# Altium PCB RTM_SFP.PcbDoc (part 13 of 17) (continued)
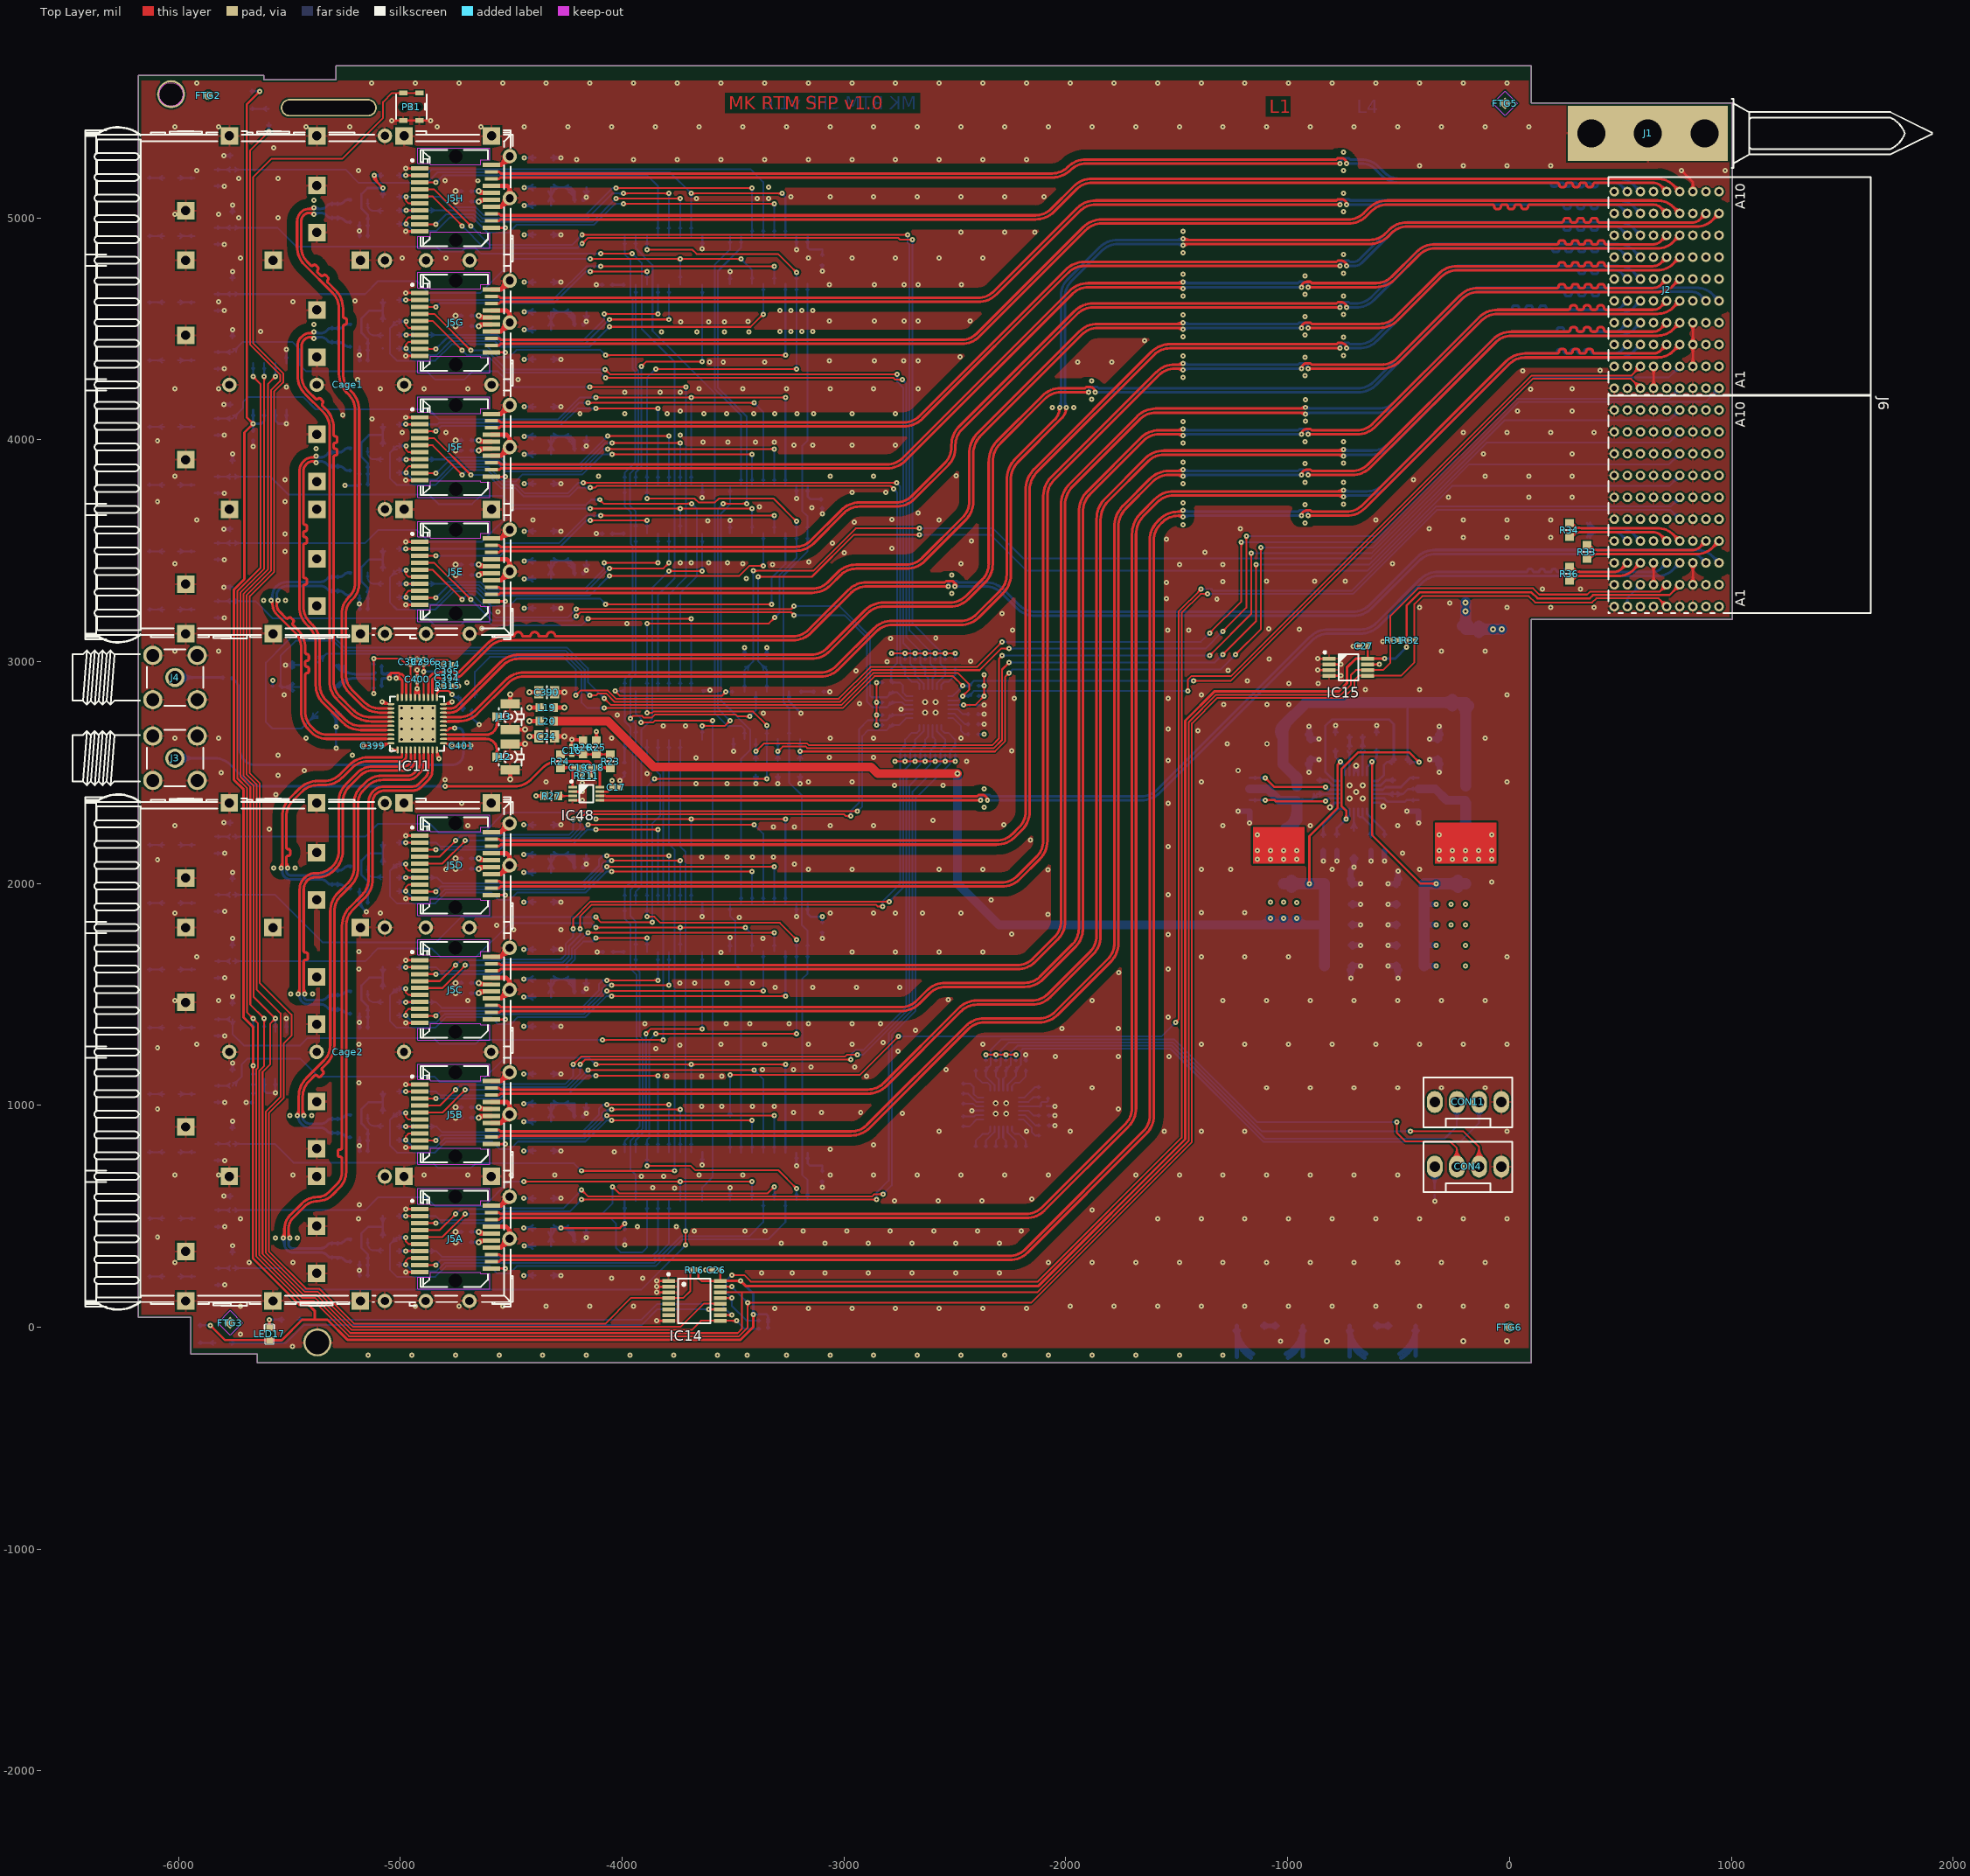
[diagram p0: Top Layer view]
## Nets (pads, with @x,y where several pads share a name; then routed paths per layer and width w, separated by ;. In a path a pad name is that pad's centre, name@x,y a point inside that pad or via, vN(x,y) a via of type N, cw(c..) or ccw(c..) an arc to the next point about the centre after c; other vN are vias at no path point) (continued)
SFP_DETECTN7: IC9.11 J5B.6 R403B.1 | length 2742.1
  Top Layer w7.99: v1(-4975.48,965.35) -4975.48,947.57 ; J5B.6@-4946.64,931.94 ccw(c-4956.62,921.96) -4956.62,936.07 ccw(c-4956.62,950.19) J5B.6@-4946.64,940.21 ; J5B.6@-4912.98,936.07 -4963.98,936.07 -4975.48,947.57 ; v1(-4048.43,931.89) v1(-3414.17,931.89) ; -4975.48,947.57 cw(c-4959.17,947.57) -4970.2,959.59 ccw(c-4959.17,947.57) -4975.48,947.57 ; -4975.48,947.57 ccw(c-4991.79,947.57) -4980.76,959.59 cw(c-4991.79,947.57) -4975.48,947.57 ; -4029.56,931.89 cw(c-4029.56,950.76) -4042.9,937.42 ccw(c-4029.56,950.76) -4029.56,931.89 ; -4029.56,931.89 ccw(c-4029.56,913.02) -4042.9,926.36 cw(c-4029.56,913.02) -4029.56,931.89 ; -3433.04,931.89 cw(c-3433.04,913.02) -3419.7,926.36 ccw(c-3433.04,913.02) -3433.04,931.89 ; -3433.04,931.89 ccw(c-3433.04,950.76) -3419.7,937.42 cw(c-3433.04,950.76) -3433.04,931.89
  Bottom Layer w7.99: -5043.49,938.17 cw(c-5015.75,910.43) R403B.1@-5015.75,949.66 ; -5037.38,944.27 ccw(c-5056.49,963.38) R403B.1@-5029.47,963.38 ; R403B.1@-5029.84,951.81 cw(c-5015.75,937.72) R403B.1@-5015.75,957.65 ; R403B.1@-5006.05,955.64 cw(c-4982.62,932.22) -4982.62,965.35 cw(c-4982.62,998.47) R403B.1@-5006.05,975.05 ; -4996.09,961.74 cw(c-4991.05,942.91) v1@-4979.93,958.92 ; -4996.09,968.95 ccw(c-4991.05,987.78) v1@-4979.93,971.77 ; -4989.87,963.4 ccw(c-4993.12,975.53) v1@-4982.25,969.25 ; -4989.87,967.29 cw(c-4993.12,955.16) v1@-4982.25,961.44 ; v1(-4975.48,965.35) -5016.31,965.35 -5047.8,933.85 -5047.8,820.07 -5014.74,787.01 -4844,787.01 -4794.25,836.76 -4585.98,836.76 -4551.18,801.97 -4504.72,801.97 -4469.93,836.76 -4165.99,836.76 -4070.87,931.89 v1(-4048.43,931.89) ; IC9.11@-3419.7,809.9 ccw(c-3433.04,823.24) -3414.17,823.24 ccw(c-3395.31,823.24) IC9.11@-3408.65,809.9 ; IC9.11@-3414.17,785.68 v1(-3414.17,931.89) ; -4994.35,965.35 cw(c-4994.35,946.48) -4981.01,959.82 ccw(c-4994.35,946.48) -4994.35,965.35 ; -4994.35,965.35 ccw(c-4994.35,984.21) -4981.01,970.87 cw(c-4994.35,984.21) -4994.35,965.35 ; -4067.29,931.89 cw(c-4067.29,913.02) -4053.95,926.36 ccw(c-4067.29,913.02) -4067.29,931.89 ; -4067.29,931.89 ccw(c-4067.29,950.76) -4053.95,937.42 cw(c-4067.29,950.76) -4067.29,931.89 ; -3414.17,913.02 cw(c-3395.31,913.02) -3408.65,926.36 ccw(c-3395.31,913.02) -3414.17,913.02 ; -3414.17,913.02 ccw(c-3433.04,913.02) -3419.7,926.36 cw(c-3433.04,913.02) -3414.17,913.02
SFP_DETECTN8: IC9.3 J5A.6 R403A.1 | length 2648
  Top Layer w7.99: v1(-4975.48,404.32) -4975.48,386.54 ; J5A.6@-4946.64,370.91 ccw(c-4956.62,360.93) -4956.62,375.05 ccw(c-4956.62,389.16) J5A.6@-4946.64,379.18 ; J5A.6@-4912.98,375.05 -4963.98,375.05 -4975.48,386.54 ; -4975.48,386.54 cw(c-4959.17,386.54) -4970.2,398.56 ccw(c-4959.17,386.54) -4975.48,386.54 ; -4975.48,386.54 ccw(c-4991.79,386.54) -4980.76,398.56 cw(c-4991.79,386.54) -4975.48,386.54
  Bottom Layer w7.99: -5043.49,377.14 cw(c-5015.75,349.41) R403A.1@-5015.75,388.63 ; -5037.38,383.25 ccw(c-5056.49,402.35) R403A.1@-5029.47,402.35 ; R403A.1@-5029.84,390.79 cw(c-5015.75,376.69) R403A.1@-5015.75,396.62 ; R403A.1@-5006.05,394.62 cw(c-4982.62,371.2) -4982.62,404.32 cw(c-4982.62,437.45) R403A.1@-5006.05,414.02 ; -4996.09,400.71 cw(c-4991.05,381.88) v1@-4979.93,397.9 ; -4996.09,407.93 ccw(c-4991.05,426.76) v1@-4979.93,410.74 ; -4989.87,402.38 ccw(c-4993.12,414.51) v1@-4982.25,408.23 ; -4989.87,406.26 cw(c-4993.12,394.14) v1@-4982.25,400.41 ; v1(-4975.48,404.32) -5016.31,404.32 -5047.8,372.83 -5047.8,259.05 -5016.01,227.26 -4842.73,227.26 -4794.25,275.74 -4597,275.74 -4564.26,243 -4507.55,243 -4474.81,275.74 -3850.33,275.74 -3730.4,395.67 -3342.13,395.67 -3264.17,473.62 IC9.3@-3264.17,573.08 ; IC9.3@-3269.7,548.85 cw(c-3283.04,535.51) -3264.17,535.51 cw(c-3245.31,535.51) IC9.3@-3258.65,548.85 ; -4994.35,404.32 cw(c-4994.35,385.45) -4981.01,398.8 ccw(c-4994.35,385.45) -4994.35,404.32 ; -4994.35,404.32 ccw(c-4994.35,423.19) -4981.01,409.85 cw(c-4994.35,423.19) -4994.35,404.32
SFP_I2C_1.SCL: IC39.2 J5A.5 R317.1 | length 4879.9
  Top Layer w7.99: J5A.5@-4912.98,406.54 -4810.37,406.54 v1(-4707.09,509.83) ; J5A.5@-4879.31,402.41 cw(c-4869.33,392.43) -4869.33,406.54 cw(c-4869.33,420.66) J5A.5@-4879.31,410.68 ; -4717.47,500.26 cw(c-4704.41,496.76) v1@-4707.12,510 ; -4716.66,499.45 ccw(c-4720.15,512.51) v1@-4706.91,509.8 ; v1(-4183.07,575.2) v1(-2853.15,575.2) ; -4720.43,496.49 cw(c-4707.09,483.15) -4707.09,502.02 ccw(c-4707.09,483.15) -4720.43,496.49 ; -4720.43,496.49 ccw(c-4733.77,509.83) -4714.9,509.83 cw(c-4733.77,509.83) -4720.43,496.49 ; -4164.2,575.2 cw(c-4164.2,594.06) -4177.54,580.72 ccw(c-4164.2,594.06) -4164.2,575.2 ; -4164.2,575.2 ccw(c-4164.2,556.33) -4177.54,569.67 cw(c-4164.2,556.33) -4164.2,575.2 ; -2872.02,575.2 cw(c-2872.02,556.33) -2858.68,569.67 ccw(c-2872.02,556.33) -2872.02,575.2 ; -2872.02,575.2 ccw(c-2872.02,594.06) -2858.68,580.72 cw(c-2872.02,594.06) -2872.02,575.2
  Bottom Layer w7.99: v1(-4707.09,509.83) -4549.59,509.83 -4537.59,521.83 -4236.43,521.83 v1(-4183.07,575.2) ; v1(-2853.15,575.2) -2853.15,606.3 -2798.79,660.66 -2798.79,1324.03 -2691.08,1431.74 -2691.08,2414.04 -2566.34,2538.78 -2566.34,2597.61 -2546.23,2617.72 R317.1@-2543.9,2617.72 -2543.9,2648.82 -2581.44,2686.36 IC39.2@-2581.44,2713.39 ; -2561.22,2602.73 cw(c-2543.9,2585.41) R317.1@-2543.9,2609.9 ; R317.1@-2555.59,2608.35 ccw(c-2564.95,2617.72) R317.1@-2551.71,2617.72 ; R317.1@-2549.42,2623.24 ccw(c-2562.76,2636.58) -2543.9,2636.58 ccw(c-2525.03,2636.58) R317.1@-2538.37,2623.24 ; -4688.22,509.83 cw(c-4688.22,528.7) -4701.56,515.36 ccw(c-4688.22,528.7) -4688.22,509.83 ; -4688.22,509.83 ccw(c-4688.22,490.96) -4701.56,504.3 cw(c-4688.22,490.96) -4688.22,509.83 ; -4196.41,561.86 cw(c-4183.07,548.51) -4183.07,567.38 ccw(c-4183.07,548.51) -4196.41,561.86 ; -4196.41,561.86 ccw(c-4209.75,575.2) -4190.89,575.2 cw(c-4209.75,575.2) -4196.41,561.86 ; -2853.15,594.06 cw(c-2872.02,594.06) -2858.68,580.72 ccw(c-2872.02,594.06) -2853.15,594.06 ; -2853.15,594.06 ccw(c-2834.28,594.06) -2847.62,580.72 cw(c-2834.28,594.06) -2853.15,594.06
SFP_I2C_1.SDA: IC39.1 J5A.4 R316.1 | length 4963.5
  Top Layer w7.99: J5A.4@-4912.98,438.04 -4822.18,438.04 v1(-4750.39,509.83) ; J5A.4@-4879.31,433.91 cw(c-4869.33,423.92) -4869.33,438.04 cw(c-4869.33,452.15) J5A.4@-4879.31,442.17 ; -4760.77,500.26 cw(c-4747.72,496.76) v1@-4750.43,510 ; -4759.96,499.45 ccw(c-4763.46,512.51) v1@-4750.22,509.8 ; v1@-4183.24,618.47 ccw(c-4170,621.18) -4173.5,608.12 ; v1(-4183.07,618.5) -4153.76,589.19 -2873.8,589.19 -2862.99,600 v1(-2824.41,600) ; v1@-4183.04,618.68 cw(c-4185.75,605.44) -4172.69,608.93 ; -4763.73,496.49 cw(c-4750.39,483.15) -4750.39,502.02 ccw(c-4750.39,483.15) -4763.73,496.49 ; -4763.73,496.49 ccw(c-4777.08,509.83) -4758.21,509.83 cw(c-4777.08,509.83) -4763.73,496.49 ; -4169.73,605.16 cw(c-4156.39,618.5) -4175.26,618.5 ccw(c-4156.39,618.5) -4169.73,605.16 ; -4169.73,605.16 ccw(c-4183.07,591.82) -4183.07,610.69 cw(c-4183.07,591.82) -4169.73,605.16 ; -2843.28,600 cw(c-2843.28,581.13) -2829.94,594.47 ccw(c-2843.28,581.13) -2843.28,600 ; -2843.28,600 ccw(c-2843.28,618.87) -2829.94,605.53 cw(c-2843.28,618.87) -2843.28,600
  Bottom Layer w7.99: v1(-4750.39,509.83) -4728.59,531.64 -4547.57,531.64 -4543.39,535.83 -4265.75,535.83 v1(-4183.07,618.5) ; v1(-2824.41,600) -2784.8,639.61 -2784.8,1318.23 -2677.09,1425.94 -2677.09,2384.33 -2521.26,2540.16 -2521.26,2597.61 -2501.15,2617.72 R316.1@-2498.82,2617.72 -2498.82,2648.82 -2528.94,2678.94 -2547.64,2678.94 -2561.76,2693.06 IC39.1@-2561.76,2713.39 ; -2516.14,2602.73 cw(c-2498.82,2585.41) R316.1@-2498.82,2609.9 ; R316.1@-2510.51,2608.35 ccw(c-2519.87,2617.72) R316.1@-2506.63,2617.72 ; R316.1@-2504.35,2623.24 ccw(c-2517.69,2636.58) -2498.82,2636.58 ccw(c-2479.95,2636.58) R316.1@-2493.29,2623.24 ; -4737.05,523.17 cw(c-4750.39,536.51) -4750.39,517.65 ccw(c-4750.39,536.51) -4737.05,523.17 ; -4737.05,523.17 ccw(c-4723.71,509.83) -4742.58,509.83 cw(c-4723.71,509.83) -4737.05,523.17 ; -4196.41,605.16 cw(c-4183.07,591.82) -4183.07,610.69 ccw(c-4183.07,591.82) -4196.41,605.16 ; -4196.41,605.16 ccw(c-4209.75,618.5) -4190.89,618.5 cw(c-4209.75,618.5) -4196.41,605.16 ; -2811.07,613.34 cw(c-2824.41,626.68) -2824.41,607.82 ccw(c-2824.41,626.68) -2811.07,613.34 ; -2811.07,613.34 ccw(c-2797.73,600) -2816.59,600 cw(c-2797.73,600) -2811.07,613.34
SFP_I2C_2.SCL: IC39.4 J5B.5 R319.1 | length 4237.1
  Top Layer w7.99: J5B.5@-4912.98,967.57 -4810.37,967.57 v1(-4707.09,1070.85) ; J5B.5@-4879.31,963.43 cw(c-4869.33,953.45) -4869.33,967.57 cw(c-4869.33,981.68) J5B.5@-4879.31,971.7 ; -4717.47,1061.29 cw(c-4704.41,1057.79) v1@-4707.12,1071.03 ; -4716.66,1060.48 ccw(c-4720.15,1073.53) v1@-4706.91,1070.82 ; v1@-4189.94,1183.89 cw(c-4176.7,1181.17) -4180.19,1194.23 ; v1(-4189.76,1183.85) -4167.96,1205.66 v1(-2969.54,1205.66) ; v1@-4189.73,1183.68 ccw(c-4192.44,1196.92) -4179.38,1193.42 ; -4720.43,1057.51 cw(c-4707.09,1044.17) -4707.09,1063.04 ccw(c-4707.09,1044.17) -4720.43,1057.51 ; -4720.43,1057.51 ccw(c-4733.77,1070.85) -4714.9,1070.85 cw(c-4733.77,1070.85) -4720.43,1057.51 ; -4176.42,1197.19 cw(c-4189.76,1210.53) -4189.76,1191.66 ccw(c-4189.76,1210.53) -4176.42,1197.19 ; -4176.42,1197.19 ccw(c-4163.08,1183.85) -4181.95,1183.85 cw(c-4163.08,1183.85) -4176.42,1197.19 ; -2988.41,1205.66 cw(c-2988.41,1186.79) -2975.07,1200.13 ccw(c-2988.41,1186.79) -2988.41,1205.66 ; -2988.41,1205.66 ccw(c-2988.41,1224.52) -2975.07,1211.18 cw(c-2988.41,1224.52) -2988.41,1205.66
  Bottom Layer w7.99: v1(-4707.09,1070.85) -4551.56,1070.85 -4539.7,1082.71 -4250.06,1082.71 -4189.76,1143.01 v1(-4189.76,1183.85) ; v1(-2969.54,1205.66) -2969.54,1228.04 -2948.31,1249.27 -2913.12,1249.27 -2719.06,1443.33 -2719.06,2473.46 -2656.69,2535.83 -2656.69,2597.61 -2636.58,2617.72 R319.1@-2634.25,2617.72 -2634.25,2648.82 -2620.81,2662.26 IC39.4@-2620.81,2713.39 ; -2651.57,2602.73 cw(c-2634.25,2585.41) R319.1@-2634.25,2609.9 ; R319.1@-2645.94,2608.35 ccw(c-2655.31,2617.72) R319.1@-2642.07,2617.72 ; R319.1@-2639.78,2623.24 ccw(c-2653.12,2636.58) -2634.25,2636.58 ccw(c-2615.38,2636.58) R319.1@-2628.73,2623.24 ; -4688.22,1070.85 cw(c-4688.22,1089.72) -4701.56,1076.38 ccw(c-4688.22,1089.72) -4688.22,1070.85 ; -4688.22,1070.85 ccw(c-4688.22,1051.99) -4701.56,1065.33 cw(c-4688.22,1051.99) -4688.22,1070.85 ; -4189.76,1164.98 cw(c-4170.9,1164.98) -4184.24,1178.32 ccw(c-4170.9,1164.98) -4189.76,1164.98 ; -4189.76,1164.98 ccw(c-4208.63,1164.98) -4195.29,1178.32 cw(c-4208.63,1164.98) -4189.76,1164.98 ; -2969.54,1224.52 cw(c-2988.41,1224.52) -2975.07,1211.18 ccw(c-2988.41,1224.52) -2969.54,1224.52 ; -2969.54,1224.52 ccw(c-2950.67,1224.52) -2964.01,1211.18 cw(c-2950.67,1224.52) -2969.54,1224.52
SFP_I2C_2.SDA: IC39.3 J5B.4 R318.1 | length 4247.1
  Top Layer w7.99: J5B.4@-4912.98,999.06 -4822.18,999.06 v1(-4750.39,1070.85) ; J5B.4@-4879.31,994.93 cw(c-4869.33,984.95) -4869.33,999.06 cw(c-4869.33,1013.18) J5B.4@-4879.31,1003.2 ; -4760.77,1061.29 cw(c-4747.72,1057.79) v1@-4750.43,1071.03 ; -4759.96,1060.48 ccw(c-4763.46,1073.53) v1@-4750.22,1070.82 ; v1@-4220.65,1183.88 cw(c-4207.51,1181.28) -4210.98,1194.21 ; v1@-4220.47,1183.98 -4184.8,1219.65 -2995.67,1219.65 -2987.85,1227.46 v1(-2939.28,1227.46) ; v1@-4220.44,1183.68 ccw(c-4223.25,1197.03) -4210.07,1193.5 ; -4763.73,1057.51 cw(c-4750.39,1044.17) -4750.39,1063.04 ccw(c-4750.39,1044.17) -4763.73,1057.51 ; -4763.73,1057.51 ccw(c-4777.08,1070.85) -4758.21,1070.85 cw(c-4777.08,1070.85) -4763.73,1057.51 ; -2958.14,1227.46 cw(c-2958.14,1208.6) -2944.8,1221.94 ccw(c-2958.14,1208.6) -2958.14,1227.46 ; -2958.14,1227.46 ccw(c-2958.14,1246.33) -2944.8,1232.99 cw(c-2958.14,1246.33) -2958.14,1227.46 ; v1@-4220.47,1191.66 ccw(c-4220.47,1210.22) -4207.36,1197.1 cw(c-4220.47,1210.22) v1@-4220.47,1191.66 ; v1@-4212.66,1183.85 cw(c-4193.47,1183.85) -4207.04,1197.41 ccw(c-4193.47,1183.85) v1@-4212.66,1183.85
  Bottom Layer w7.99: v1(-4750.39,1070.85) -4728.59,1092.66 -4552.22,1092.66 -4548.18,1096.7 -4255.86,1096.7 -4220.47,1132.09 v1(-4220.47,1183.85) ; v1(-2939.28,1227.46) -2915.14,1227.46 -2705.07,1437.53 -2705.07,2442.17 -2611.42,2535.83 -2611.42,2597.61 -2591.31,2617.72 R318.1@-2588.98,2617.72 -2588.98,2648.82 -2601.13,2660.97 IC39.3@-2601.13,2713.39 ; -2606.3,2602.73 cw(c-2588.98,2585.41) R318.1@-2588.98,2609.9 ; R318.1@-2600.67,2608.35 ccw(c-2610.03,2617.72) R318.1@-2596.79,2617.72 ; R318.1@-2594.5,2623.24 ccw(c-2607.84,2636.58) -2588.98,2636.58 ccw(c-2570.11,2636.58) R318.1@-2583.45,2623.24 ; -4737.05,1084.2 cw(c-4750.39,1097.54) -4750.39,1078.67 ccw(c-4750.39,1097.54) -4737.05,1084.2 ; -4737.05,1084.2 ccw(c-4723.71,1070.85) -4742.58,1070.85 cw(c-4723.71,1070.85) -4737.05,1084.2 ; -4220.47,1164.98 cw(c-4201.61,1164.98) -4214.95,1178.32 ccw(c-4201.61,1164.98) -4220.47,1164.98 ; -4220.47,1164.98 ccw(c-4239.34,1164.98) -4226,1178.32 cw(c-4239.34,1164.98) -4220.47,1164.98 ; -2920.41,1227.46 cw(c-2920.41,1246.33) -2933.75,1232.99 ccw(c-2920.41,1246.33) -2920.41,1227.46 ; -2920.41,1227.46 ccw(c-2920.41,1208.6) -2933.75,1221.94 cw(c-2920.41,1208.6) -2920.41,1227.46
SFP_I2C_3.SCL: IC39.6 J5C.5 R321.1 | length 3689.2
  Top Layer w7.99: J5C.5@-4912.98,1528.59 -4810.37,1528.59 v1(-4707.09,1631.88) ; J5C.5@-4879.31,1524.46 cw(c-4869.33,1514.48) -4869.33,1528.59 cw(c-4869.33,1542.71) J5C.5@-4879.31,1532.73 ; -4717.47,1622.31 cw(c-4704.41,1618.81) v1@-4707.12,1632.05 ; -4716.66,1621.5 ccw(c-4720.15,1634.55) v1@-4706.91,1631.84 ; v1(-4189.76,1796.06) -4189.76,1851.57 -4137.01,1904.33 -2856.69,1904.33 -2848.82,1896.46 v1(-2826.48,1896.46) ; -4720.43,1618.54 cw(c-4707.09,1605.2) -4707.09,1624.06 ccw(c-4707.09,1605.2) -4720.43,1618.54 ; -4720.43,1618.54 ccw(c-4733.77,1631.88) -4714.9,1631.88 cw(c-4733.77,1631.88) -4720.43,1618.54 ; -4189.76,1814.92 cw(c-4208.63,1814.92) -4195.29,1801.58 ccw(c-4208.63,1814.92) -4189.76,1814.92 ; -4189.76,1814.92 ccw(c-4170.9,1814.92) -4184.24,1801.58 cw(c-4170.9,1814.92) -4189.76,1814.92 ; -2845.35,1896.46 cw(c-2845.35,1877.59) -2832.01,1890.93 ccw(c-2845.35,1877.59) -2845.35,1896.46 ; -2845.35,1896.46 ccw(c-2845.35,1915.32) -2832.01,1901.98 cw(c-2845.35,1915.32) -2845.35,1896.46
  Bottom Layer w7.99: v1(-4707.09,1631.88) -4551.56,1631.88 -4539.7,1643.73 -4268.28,1643.73 -4240.94,1671.07 -4240.94,1716.74 -4189.76,1767.91 v1(-4189.76,1796.06) ; v1(-2826.48,1896.46) -2826.48,1918.9 -2747.05,1998.33 -2747.05,2597.61 -2726.94,2617.72 R321.1@-2724.61,2617.72 -2724.61,2648.82 -2694.49,2678.94 -2670.87,2678.94 -2660.18,2689.62 IC39.6@-2660.18,2713.39 ; -2741.93,2602.73 cw(c-2724.61,2585.41) R321.1@-2724.61,2609.9 ; R321.1@-2736.3,2608.35 ccw(c-2745.66,2617.72) R321.1@-2732.42,2617.72 ; R321.1@-2730.13,2623.24 ccw(c-2743.47,2636.58) -2724.61,2636.58 ccw(c-2705.74,2636.58) R321.1@-2719.08,2623.24 ; -4688.22,1631.88 cw(c-4688.22,1650.75) -4701.56,1637.4 ccw(c-4688.22,1650.75) -4688.22,1631.88 ; -4688.22,1631.88 ccw(c-4688.22,1613.01) -4701.56,1626.35 cw(c-4688.22,1613.01) -4688.22,1631.88 ; -4189.76,1777.19 cw(c-4170.9,1777.19) -4184.24,1790.53 ccw(c-4170.9,1777.19) -4189.76,1777.19 ; -4189.76,1777.19 ccw(c-4208.63,1777.19) -4195.29,1790.53 cw(c-4208.63,1777.19) -4189.76,1777.19 ; -2826.48,1915.32 cw(c-2845.35,1915.32) -2832.01,1901.98 ccw(c-2845.35,1915.32) -2826.48,1915.32 ; -2826.48,1915.32 ccw(c-2807.61,1915.32) -2820.95,1901.98 cw(c-2807.61,1915.32) -2826.48,1915.32
SFP_I2C_3.SDA: IC39.5 J5C.4 R320.1 | length 3667.7
  Top Layer w7.99: J5C.4@-4912.98,1560.09 -4822.18,1560.09 v1(-4750.39,1631.88) ; J5C.4@-4879.31,1555.95 cw(c-4869.33,1545.97) -4869.33,1560.09 cw(c-4869.33,1574.2) J5C.4@-4879.31,1564.22 ; -4760.77,1622.31 cw(c-4747.72,1618.81) v1@-4750.43,1632.05 ; -4759.96,1621.5 ccw(c-4763.46,1634.55) v1@-4750.22,1631.84 ; v1(-4220.47,1796.06) -4220.47,1840.65 -4142.8,1918.32 v1@-2796.22,1918.32 ; -4763.73,1618.54 cw(c-4750.39,1605.2) -4750.39,1624.06 ccw(c-4750.39,1605.2) -4763.73,1618.54 ; -4763.73,1618.54 ccw(c-4777.08,1631.88) -4758.21,1631.88 cw(c-4777.08,1631.88) -4763.73,1618.54 ; -4220.47,1814.92 cw(c-4239.34,1814.92) -4226,1801.58 ccw(c-4239.34,1814.92) -4220.47,1814.92 ; -4220.47,1814.92 ccw(c-4201.61,1814.92) -4214.95,1801.58 cw(c-4201.61,1814.92) -4220.47,1814.92 ; -2815.23,1918.32 cw(c-2815.23,1899.25) -2801.74,1912.74 ccw(c-2815.23,1899.25) -2815.23,1918.32 ; -2814.94,1918.32 ccw(c-2814.94,1936.99) -2801.74,1923.79 cw(c-2814.94,1936.99) -2814.94,1918.32
  Bottom Layer w7.99: v1(-4750.39,1631.88) -4728.59,1653.69 -4552.22,1653.69 -4548.18,1657.72 -4276.13,1657.72 -4254.93,1678.92 -4254.93,1727.35 -4220.47,1761.81 v1(-4220.47,1796.06) ; v1(-2796.22,1918.26) -2733.06,1981.42 -2733.06,2505.53 -2701.97,2536.61 -2701.97,2597.61 -2681.86,2617.72 R320.1@-2679.53,2617.72 -2679.53,2648.82 -2640.5,2687.85 IC39.5@-2640.5,2713.39 ; -2696.85,2602.73 cw(c-2679.53,2585.41) R320.1@-2679.53,2609.9 ; R320.1@-2691.22,2608.35 ccw(c-2700.58,2617.72) R320.1@-2687.34,2617.72 ; R320.1@-2685.05,2623.24 ccw(c-2698.39,2636.58) -2679.53,2636.58 ccw(c-2660.66,2636.58) R320.1@-2674,2623.24 ; -4737.05,1645.22 cw(c-4750.39,1658.56) -4750.39,1639.69 ccw(c-4750.39,1658.56) -4737.05,1645.22 ; -4737.05,1645.22 ccw(c-4723.71,1631.88) -4742.58,1631.88 cw(c-4723.71,1631.88) -4737.05,1645.22 ; -4220.47,1777.19 cw(c-4201.61,1777.19) -4214.95,1790.53 ccw(c-4201.61,1777.19) -4220.47,1777.19 ; -4220.47,1777.19 ccw(c-4239.34,1777.19) -4226,1790.53 cw(c-4239.34,1777.19) -4220.47,1777.19 ; -2782.87,1931.6 cw(c-2796.22,1944.95) -2796.22,1926.08 ccw(c-2796.22,1944.95) -2782.87,1931.6 ; -2782.87,1931.6 ccw(c-2769.53,1918.26) -2788.4,1918.26 cw(c-2769.53,1918.26) -2782.87,1931.6
SFP_I2C_4.SCL: IC39.8 J5D.5 R323.1 | length 3236.7
  Top Layer w7.99: J5D.5@-4912.98,2089.61 -4810.37,2089.61 v1(-4707.09,2192.9) ; J5D.5@-4879.31,2085.48 cw(c-4869.33,2075.5) -4869.33,2089.61 cw(c-4869.33,2103.73) J5D.5@-4879.31,2093.75 ; -4717.47,2183.33 cw(c-4704.41,2179.84) v1@-4707.12,2193.08 ; -4716.66,2182.52 ccw(c-4720.15,2195.58) v1@-4706.91,2192.87 ; v1@-4189.94,2290.19 cw(c-4176.7,2287.47) -4180.19,2300.53 ; v1(-4189.76,2290.15) -4167.96,2311.96 -2999.75,2311.96 -2991.88,2304.08 v1(-2969.54,2304.08) ; v1@-4189.73,2289.98 ccw(c-4192.44,2303.22) -4179.38,2299.72 ; -4720.43,2179.56 cw(c-4707.09,2166.22) -4707.09,2185.09 ccw(c-4707.09,2166.22) -4720.43,2179.56 ; -4720.43,2179.56 ccw(c-4733.77,2192.9) -4714.9,2192.9 cw(c-4733.77,2192.9) -4720.43,2179.56 ; -4176.42,2303.49 cw(c-4189.76,2316.83) -4189.76,2297.96 ccw(c-4189.76,2316.83) -4176.42,2303.49 ; -4176.42,2303.49 ccw(c-4163.08,2290.15) -4181.95,2290.15 cw(c-4163.08,2290.15) -4176.42,2303.49 ; -2988.41,2304.08 cw(c-2988.41,2285.22) -2975.07,2298.56 ccw(c-2988.41,2285.22) -2988.41,2304.08 ; -2988.41,2304.08 ccw(c-2988.41,2322.95) -2975.07,2309.61 cw(c-2988.41,2322.95) -2988.41,2304.08
  Bottom Layer w7.99: v1(-4707.09,2192.9) -4551.56,2192.9 -4539.7,2204.76 -4234.51,2204.76 -4189.76,2249.5 v1(-4189.76,2290.15) ; v1(-2969.54,2304.08) -2969.54,2326.52 -2932.11,2363.95 -2932.11,2695.25 -2890.95,2736.42 -2807.31,2736.42 -2787.2,2756.53 R323.1@-2787.2,2758.86 -2730.51,2758.86 -2724.8,2764.57 IC39.8@-2691.68,2764.57 ; -2802.19,2741.54 ccw(c-2819.51,2758.86) R323.1@-2795.02,2758.86 ; R323.1@-2796.57,2747.17 cw(c-2787.2,2737.8) R323.1@-2787.2,2751.04 ; R323.1@-2781.68,2753.33 cw(c-2768.34,2739.99) -2768.34,2758.86 cw(c-2768.34,2777.73) R323.1@-2781.68,2764.38 ; -4688.22,2192.9 cw(c-4688.22,2211.77) -4701.56,2198.43 ccw(c-4688.22,2211.77) -4688.22,2192.9 ; -4688.22,2192.9 ccw(c-4688.22,2174.04) -4701.56,2187.38 cw(c-4688.22,2174.04) -4688.22,2192.9 ; -4189.76,2271.28 cw(c-4170.9,2271.28) -4184.24,2284.62 ccw(c-4170.9,2271.28) -4189.76,2271.28 ; -4189.76,2271.28 ccw(c-4208.63,2271.28) -4195.29,2284.62 cw(c-4208.63,2271.28) -4189.76,2271.28 ; -2969.54,2322.95 cw(c-2988.41,2322.95) -2975.07,2309.61 ccw(c-2988.41,2322.95) -2969.54,2322.95 ; -2969.54,2322.95 ccw(c-2950.67,2322.95) -2964.01,2309.61 cw(c-2950.67,2322.95) -2969.54,2322.95
SFP_I2C_4.SDA: IC39.7 J5D.4 R322.1 | length 3193.9
  Top Layer w7.99: J5D.4@-4912.98,2121.11 -4822.18,2121.11 v1(-4750.39,2192.9) ; J5D.4@-4879.31,2116.98 cw(c-4869.33,2107) -4869.33,2121.11 cw(c-4869.33,2135.23) J5D.4@-4879.31,2125.25 ; -4760.77,2183.33 cw(c-4747.72,2179.84) v1@-4750.43,2193.08 ; -4759.96,2182.52 ccw(c-4763.46,2195.58) v1@-4750.22,2192.87 ; v1@-4220.65,2290.18 cw(c-4207.51,2287.58) -4210.98,2300.51 ; v1@-4220.47,2290.28 -4184.8,2325.95 v1(-2939.28,2325.89) ; v1@-4220.44,2289.98 ccw(c-4223.25,2303.33) -4210.07,2299.8 ; -4763.73,2179.56 cw(c-4750.39,2166.22) -4750.39,2185.09 ccw(c-4750.39,2166.22) -4763.73,2179.56 ; -4763.73,2179.56 ccw(c-4777.08,2192.9) -4758.21,2192.9 cw(c-4777.08,2192.9) -4763.73,2179.56 ; v1@-4220.47,2297.96 ccw(c-4220.47,2316.52) -4207.36,2303.4 cw(c-4220.47,2316.52) v1@-4220.47,2297.96 ; v1@-4212.66,2290.15 cw(c-4193.47,2290.15) -4207.04,2303.71 ccw(c-4193.47,2290.15) v1@-4212.66,2290.15 ; -2958.28,2325.95 cw(c-2958.28,2306.88) -2944.8,2320.36 ccw(c-2958.28,2306.88) -2958.28,2325.95 ; -2958,2325.95 ccw(c-2958,2344.61) -2944.8,2331.42 cw(c-2958,2344.61) -2958,2325.95
  Bottom Layer w7.99: v1(-4750.39,2192.9) -4728.59,2214.71 -4552.22,2214.71 -4548.18,2218.75 -4240.31,2218.75 -4220.47,2238.58 v1(-4220.47,2290.15) ; v1(-2939.28,2325.89) -2918.11,2347.06 -2918.11,2664.17 -2890.95,2691.34 -2807.31,2691.34 -2787.2,2711.45 R322.1@-2787.2,2713.78 -2751.57,2713.78 -2720.46,2744.89 IC39.7@-2691.68,2744.89 ; -2802.19,2696.46 ccw(c-2819.51,2713.78) R322.1@-2795.02,2713.78 ; R322.1@-2796.57,2702.09 cw(c-2787.2,2692.73) R322.1@-2787.2,2705.96 ; R322.1@-2781.68,2708.25 cw(c-2768.34,2694.91) -2768.34,2713.78 cw(c-2768.34,2732.65) R322.1@-2781.68,2719.31 ; -4737.05,2206.24 cw(c-4750.39,2219.58) -4750.39,2200.72 ccw(c-4750.39,2219.58) -4737.05,2206.24 ; -4737.05,2206.24 ccw(c-4723.71,2192.9) -4742.58,2192.9 cw(c-4723.71,2192.9) -4737.05,2206.24 ; -4220.47,2271.28 cw(c-4201.61,2271.28) -4214.95,2284.62 ccw(c-4201.61,2271.28) -4220.47,2271.28 ; -4220.47,2271.28 ccw(c-4239.34,2271.28) -4226,2284.62 cw(c-4239.34,2271.28) -4220.47,2271.28 ; -2925.93,2339.23 cw(c-2939.28,2352.57) -2939.28,2333.7 ccw(c-2939.28,2352.57) -2925.93,2339.23 ; -2925.93,2339.23 ccw(c-2912.59,2325.89) -2931.46,2325.89 cw(c-2912.59,2325.89) -2925.93,2339.23
SFP_I2C_5.SCL: IC39.11 J5E.5 R330.1 | length 3197
  Top Layer w7.99: J5E.5@-4912.42,3413.64 -4854.19,3413.64 v1(-4720.87,3280.31) ; J5E.5@-4878.76,3409.5 cw(c-4868.77,3399.52) -4868.77,3413.64 cw(c-4868.77,3427.75) J5E.5@-4878.76,3417.77 ; -4731.25,3289.88 ccw(c-4718.19,3293.38) v1@-4720.9,3280.14 ; -4730.44,3290.69 cw(c-4733.93,3277.64) v1@-4720.69,3280.35 ; v1(-4207.09,3236.46) -3238.74,3236.46 ; -3235.91,3239.78 cw(c-3222.58,3236.36) v1@-3225.63,3249.78 ; -3235.41,3239.29 ccw(c-3238.84,3252.62) v1@-3225.42,3249.57 ; v1(-3225.59,3249.61) -3238.74,3236.46 ; -4734.21,3293.66 cw(c-4747.55,3280.31) -4728.68,3280.31 ccw(c-4747.55,3280.31) -4734.21,3293.66 ; -4734.21,3293.66 ccw(c-4720.87,3307) -4720.87,3288.13 cw(c-4720.87,3307) -4734.21,3293.66 ; -4188.22,3236.46 cw(c-4188.22,3255.33) -4201.56,3241.99 ccw(c-4188.22,3255.33) -4188.22,3236.46 ; -4188.22,3236.46 ccw(c-4188.22,3217.59) -4201.56,3230.93 cw(c-4188.22,3217.59) -4188.22,3236.46 ; -3238.74,3236.46 cw(c-3225.86,3223.59) -3225.67,3241.79 ccw(c-3225.86,3223.59) -3238.74,3236.46 ; -3238.74,3236.46 ccw(c-3251.61,3249.33) -3233.41,3249.52 cw(c-3251.61,3249.33) -3238.74,3236.46
  Bottom Layer w7.99: v1(-4720.87,3280.31) -4698.82,3302.36 -4673.49,3302.36 -4569.55,3198.43 -4245.12,3198.43 v1(-4207.09,3236.46) ; v1(-3225.59,3249.61) -3019.29,3249.61 -2882.68,3112.99 -2882.68,2846.85 -2875.04,2839.21 -2806.68,2839.21 -2787.2,2858.69 R330.1@-2787.2,2861.02 -2759.84,2861.02 -2722.45,2823.63 IC39.11@-2691.68,2823.63 ; -2802.19,2843.7 ccw(c-2819.51,2861.02) R330.1@-2795.02,2861.02 ; R330.1@-2796.57,2849.33 cw(c-2787.2,2839.97) R330.1@-2787.2,2853.21 ; R330.1@-2781.68,2855.5 cw(c-2768.34,2842.16) -2768.34,2861.02 cw(c-2768.34,2879.89) R330.1@-2781.68,2866.55 ; -4707.52,3293.66 cw(c-4720.87,3307) -4720.87,3288.13 ccw(c-4720.87,3307) -4707.52,3293.66 ; -4707.52,3293.66 ccw(c-4694.18,3280.31) -4713.05,3280.31 cw(c-4694.18,3280.31) -4707.52,3293.66 ; -4220.43,3223.12 cw(c-4207.09,3209.78) -4207.09,3228.65 ccw(c-4207.09,3209.78) -4220.43,3223.12 ; -4220.43,3223.12 ccw(c-4233.77,3236.46) -4214.9,3236.46 cw(c-4233.77,3236.46) -4220.43,3223.12 ; -3206.72,3249.61 cw(c-3206.72,3268.47) -3220.06,3255.13 ccw(c-3206.72,3268.47) -3206.72,3249.61 ; -3206.72,3249.61 ccw(c-3206.72,3230.74) -3220.06,3244.08 cw(c-3206.72,3230.74) -3206.72,3249.61
SFP_I2C_5.SDA: IC39.10 J5E.4 R329.1 | length 3235.3
  Top Layer w7.99: J5E.4@-4912.42,3445.13 -4847.1,3445.13 v1(-4682.28,3280.31) ; J5E.4@-4878.76,3441 cw(c-4868.77,3431.02) -4868.77,3445.13 cw(c-4868.77,3459.25) J5E.4@-4878.76,3449.27 ; -4692.66,3289.88 ccw(c-4679.61,3293.38) v1@-4682.32,3280.14 ; -4691.85,3290.69 cw(c-4695.35,3277.64) v1@-4682.11,3280.35 ; v1@-4207.26,3203.97 cw(c-4194.02,3201.26) -4197.52,3214.32 ; v1@-4207.05,3203.76 ccw(c-4209.76,3217) -4196.71,3213.51 ; v1(-4207.09,3203.94) -4188.56,3222.47 -3238.61,3222.47 ; -3235.87,3219.46 ccw(c-3222.33,3222.83) v1@-3225.63,3209.28 ; -3235.6,3219.72 cw(c-3238.98,3206.19) v1@-3225.42,3209.49 ; v1(-3225.59,3209.45) -3238.61,3222.47 ; -4695.62,3293.66 cw(c-4708.97,3280.31) -4690.1,3280.31 ccw(c-4708.97,3280.31) -4695.62,3293.66 ; -4695.62,3293.66 ccw(c-4682.28,3307) -4682.28,3288.13 cw(c-4682.28,3307) -4695.62,3293.66 ; -4193.75,3217.28 cw(c-4207.09,3230.62) -4207.09,3211.75 ccw(c-4207.09,3230.62) -4193.75,3217.28 ; -4193.75,3217.28 ccw(c-4180.4,3203.94) -4199.27,3203.94 cw(c-4180.4,3203.94) -4193.75,3217.28 ; -3238.61,3222.47 cw(c-3251.18,3209.89) -3233.4,3209.58 ccw(c-3251.18,3209.89) -3238.61,3222.47 ; -3238.61,3222.47 ccw(c-3226.04,3235.04) -3225.73,3217.26 cw(c-3226.04,3235.04) -3238.61,3222.47
  Bottom Layer w7.99: v1(-4682.28,3280.31) -4586.4,3184.43 -4226.59,3184.43 v1(-4207.09,3203.94) ; v1(-3225.59,3209.45) -2998.92,3209.45 ; -2996.17,3206.69 -2998.92,3209.45 ; -2802.19,2798.43 ccw(c-2819.51,2815.75) R329.1@-2795.02,2815.75 ; R329.1@-2796.57,2804.06 cw(c-2787.2,2794.69) R329.1@-2787.2,2807.93 ; R329.1@-2781.68,2810.22 cw(c-2768.34,2796.88) -2768.34,2815.75 cw(c-2768.34,2834.61) R329.1@-2781.68,2821.27 ; IC39.10@-2691.68,2803.94 -2725.2,2803.94 -2737.01,2815.75 R329.1@-2787.2,2815.75 -2787.2,2813.42 -2806.68,2793.94 -2871.89,2793.94 -2896.67,2818.72 -2896.67,3107.2 -2998.92,3209.45 ; -4668.94,3266.97 cw(c-4655.6,3280.31) -4674.47,3280.31 ccw(c-4655.6,3280.31) -4668.94,3266.97 ; -4668.94,3266.97 ccw(c-4682.28,3253.63) -4682.28,3272.5 cw(c-4682.28,3253.63) -4668.94,3266.97 ; -4220.43,3190.6 cw(c-4207.09,3177.25) -4207.09,3196.12 ccw(c-4207.09,3177.25) -4220.43,3190.6 ; -4220.43,3190.6 ccw(c-4233.77,3203.94) -4214.9,3203.94 cw(c-4233.77,3203.94) -4220.43,3190.6 ; -3206.72,3209.45 cw(c-3206.72,3228.32) -3220.06,3214.97 ccw(c-3206.72,3228.32) -3206.72,3209.45 ; -3206.72,3209.45 ccw(c-3206.72,3190.58) -3220.06,3203.92 cw(c-3206.72,3190.58) -3206.72,3209.45